# Altium PCB Tigershark 3D R2.1.PcbDoc (part 2 of 4) (continued)
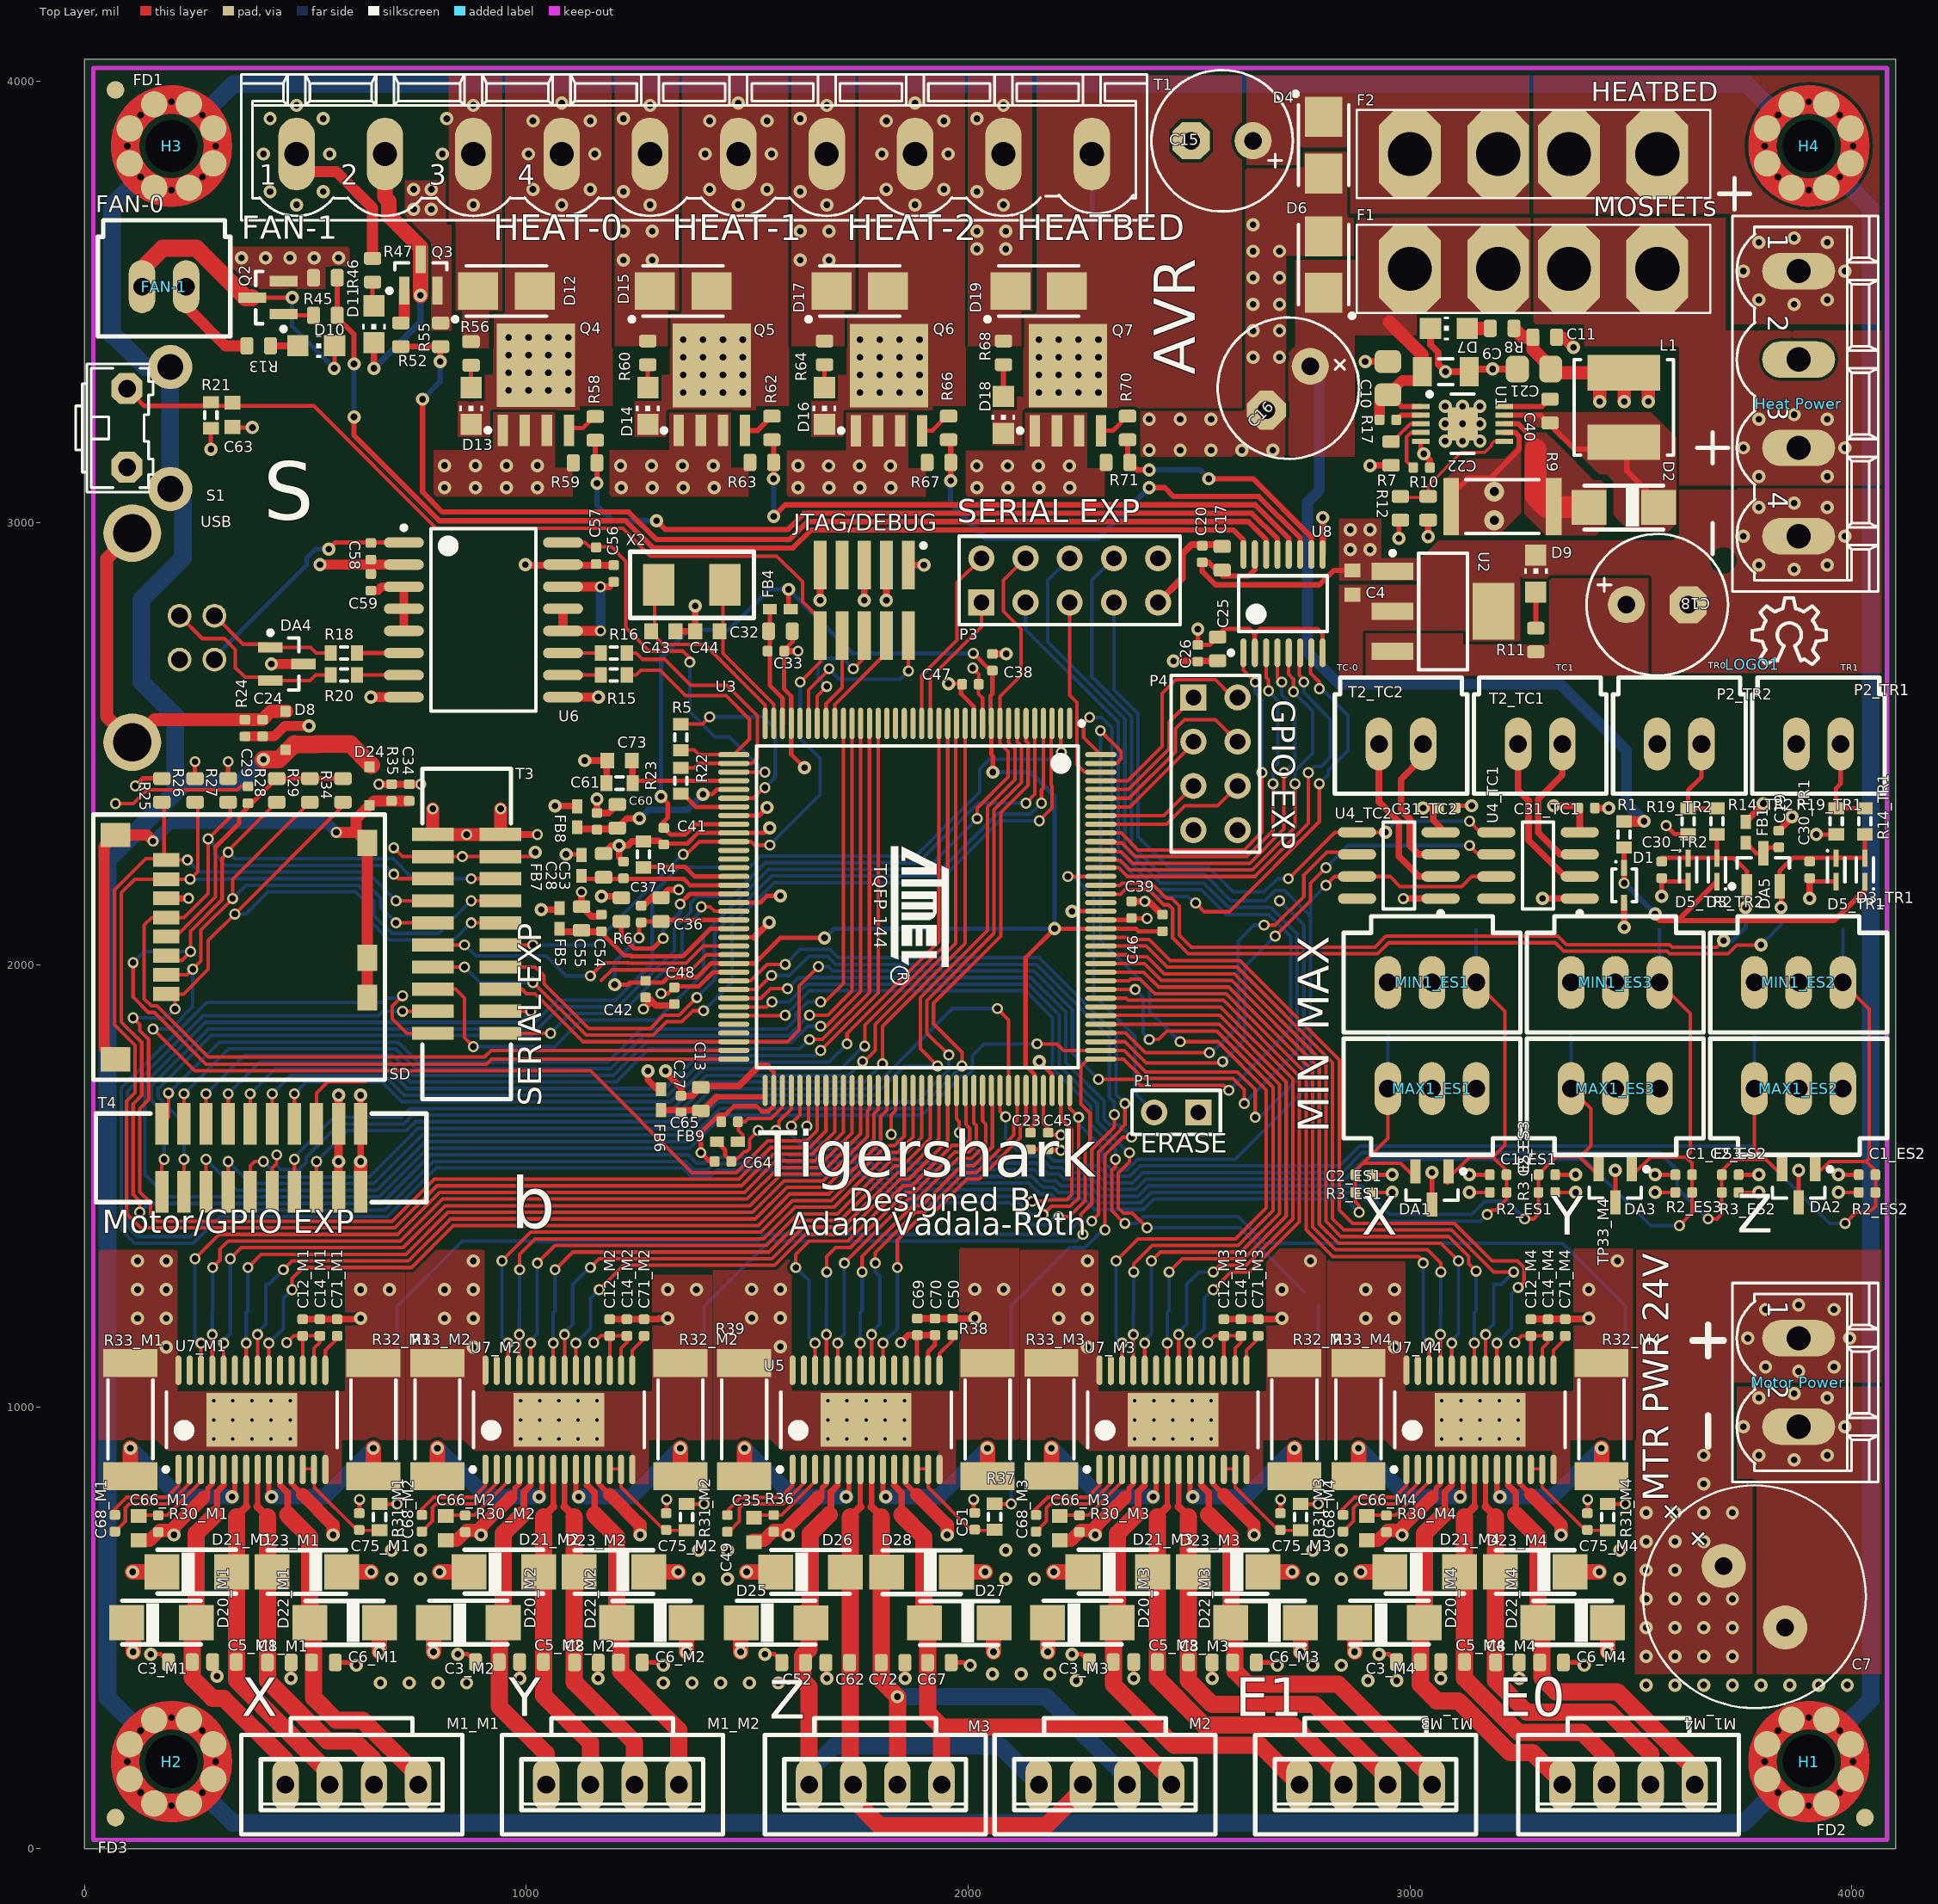
[diagram p0: Top Layer view]
## Nets (pads, with @x,y where several pads share a name; then routed paths per layer and width w, separated by ;. In a path a pad name is that pad's centre, name@x,y a point inside that pad or via, vN(x,y) a via of type N, cw(c..) or ccw(c..) an arc to the next point about the centre after c; other vN are vias at no path point) (continued)
  Top Layer w15: v1@2909.31,3130.43 2957.09,3130.43 R7.2@2957.32,3130.65 ; v1(3041.31,2969.43) R10.1@3041.31,3006.66
  Top Layer w30: R8.2@3235.54,3440.43 3255.54,3420.43 C11.1@3278.54,3420.43 3278.54,3392.69 3318.72,3352.52 C21.1@3318.72,3348.43 ; C21.1@3326.98,3340.17 L1.2@3484.31,3340.17 ; v1(3430,3275) L1.2@3430,3335.17 ; v1(3485,3275) L1.2@3485,3339.48 ; v1(3540,3275) L1.2@3540,3340
  other v1: 2865,2940 2910,2940 2865,2985 2910,2985 2910,3130
+12VCC1: "Motor Power.1" C7.1 C35.1 C66_M1.1 C66_M2.1 C66_M3.1 C66_M4.1 R30_M1.2 R30_M2.2 R30_M3.2 R30_M4.2 R36.2 U5.4 U5.11 U7_M1.4 U7_M1.11 U7_M2.4 U7_M2.11 U7_M3.4 U7_M3.11 U7_M4.4 U7_M4.11 | length 2331.6
  Top Layer w12: 270,795 279,804 279,815.51 289.17,825.68 U7_M1.4@289.17,858.06 U7_M1.4@289.17,859.06 ; U7_M1.11@468.31,859.06 468.31,826.69 493.74,801.26 ; 965,795 974,804 974,815.51 984.17,825.68 U7_M2.4@984.17,858.06 U7_M2.4@984.17,859.06 ; U7_M2.11@1163.31,859.06 1163.31,826.69 1188.74,801.26 ; 1660.03,794.97 1669.03,803.97 1669.03,815.48 1679.2,825.65 U5.4@1679.2,858.02 ; U5.11@1858.34,859.02 1858.34,826.66 1883.77,801.23 ; 2355,795 2364,804 2364,815.51 2374.17,825.68 U7_M3.4@2374.17,858.06 U7_M3.4@2374.17,859.06 ; U7_M3.11@2553.31,859.06 2553.31,826.69 2578.74,801.26 ; 3050,795 3059,804 3059,815.51 3069.17,825.68 U7_M4.4@3069.17,858.06 U7_M4.4@3069.17,859.06 ; U7_M4.11@3248.31,859.06 3248.31,826.69 3273.74,801.26
  Top Layer w30: C66_M1.1@122.48,697.44 147.44,697.44 170,720 192.48,720 v1(202.48,710) 202.48,727.48 270,795 ; 493.74,801.26 562.48,732.52 v1(562.48,710) ; C66_M2.1@817.48,697.44 842.44,697.44 865,720 887.48,720 v1(897.48,710) 897.48,727.48 965,795 ; 1188.74,801.26 1257.48,732.52 v1(1257.48,710) ; C35.1@1512.51,697.41 1537.47,697.41 1560.03,719.97 1582.51,719.97 v1(1592.51,709.97) 1592.51,727.45 1660.03,794.97 ; 1883.77,801.23 1952.51,732.49 v1(1952.51,709.97) ; C66_M3.1@2207.48,697.44 2232.44,697.44 2255,720 2277.48,720 v1(2287.48,710) 2287.48,727.48 2355,795 ; 2578.74,801.26 2647.48,732.52 v1(2647.48,710) ; C66_M4.1@2902.48,697.44 2927.44,697.44 2950,720 2972.48,720 v1(2982.48,710) 2982.48,727.48 3050,795 ; 3273.74,801.26 3342.48,732.52 v1(3342.48,710)
  other v1: 3535,370 3600,370 3665,370 3730,370 3795,370 3860,370 3925,370 3990,370 670,375 735,375 800,375 865,375 1310,375 1375,375 1440,375 1505,375 1570,375 2245,380 2905,380 2970,380 2055,395 2120,395 2185,395 2780,415 2845,415 3535,435 3600,435 3665,435 3730,435 3535,500 3600,500 3665,500 3730,500 3535,565 3600,565 3665,565 3730,565 695,610 760,610 1390,610 1455,610 2085.03,609.97 2150.03,609.97 2780,610 2845,610 3475,610 3535,630 3600,630 695,675 760,675 1390,675 1455,675 2085.03,674.97 2150.03,674.97 2780,675 2845,675 3475,675 3535,695 3600,695 3665,695 3535,760 3600,760 3665,760 3730,760 3665,825 3665,890 3880,1080 3805,1090 3960,1090 3765,1155 3995,1155 3805,1220 3960,1220 3880,1230
+12VCC2: C9.1 C10.1 C16.1 D6.2 D12.2 D15.2 D17.2 F1.2 FAN-1.1 R1.2 R13.2 R17.2 R47.2 R56.2 R60.2 R64.2 T1.1 T1.3 T1.5 T1.7 U1.1 | length 2587.6
  Top Layer w12: C10.1@2971.68,3272.95 2980.83,3263.8 U1.1@3024.83,3263.8
  Top Layer w24: R17.2@2931.31,3233.43 C10.1@2931.31,3271.02 ; C10.1@2950.31,3290.02 2982.72,3322.43 C9.1@3008.15,3322.43
  Top Layer w25: FAN-1.1@230,3535 230,3490 319,3401 R13.2@367.23,3401 ; T1.1@480,3810 495,3795 570,3795 652,3713 R47.2@652,3598.77 ; R1.2@3485,2324.53 3529.53,2324.53 v1(3530,2325)
  Top Layer w30: 2953.21,3454.87 3028.17,3379.91 C9.1@3028.17,3342.43
  Bottom Layer w25: C16.1@2774.5,3354.5 2795,3333.99 2795,3073.87 2768.07,3046.93 2768.07,2706.93 2840,2635 3340,2635 3490,2485 3490,2365 v1(3530,2325) ; F1.2@3200,3545 F1.2@3200,3575
  other v1: 1220,3595 1285,3595 1620,3595 1685,3595 1220,3660 1285,3660 1620,3660 1685,3660 480,3720 880,3720 1280,3720 1680,3720 420,3750 540,3750 1220,3750 1620,3750 405,3835 555,3835 810,3835 420,3915 540,3915 820,3915 1220,3915 1620,3915 480,3945 880,3945 1280,3945 1680,3945
+12VCC3: C15.1 D4.2 D19.2 F2.2 R68.2 T1.9
  other v1: 2020,3620 2085,3620 2020,3660 2085,3660 2080,3720 2020,3750 2020,3915 2080,3945
AN_EXP0: T4.13 U3.14 | length 2311.5
  Top Layer w8: T4.13@475,1486.46 v2(475,1560) ; v2(1761.1,1781.1) 1764.34,1781.1 1789.6,1806.37 1789.6,1865.82 1972.1,2048.32 1972.1,2544.98 U3.14@1973.58,2546.46
  Bottom Layer w8: v2@470,1560 560,1650 577.57,1650 582.57,1655 716.36,1655 736.36,1675 1332.72,1675 1407.43,1749.71 1729.71,1749.71 v2(1761.1,1781.1)
AN_EXP1: T4.14 U3.15 | length 2249.4
  Top Layer w8: T4.14@475,1640 v2(475,1708.23) ; v2(1766.1,1816.1) 1766.1,1863.53 1953.9,2051.32 U3.15@1953.9,2546.46
  Bottom Layer w8: v2(475,1708.23) 501.77,1735 672.72,1735 717.72,1690 1326.51,1690 1401.22,1764.71 1711.48,1764.71 1762.87,1816.1 v2(1766.1,1816.1)
AVREF: C65.2 FB9.2 U3.75 | length 189
  Top Layer w8: C65.2@1479,1645 1495,1645 1502.31,1652.31 1554.56,1652.31 1579.88,1677.64 U3.75@1579.88,1715.75 ; C65.2@1480,1636 1480,1625 1490,1615 FB9.2@1490,1603.62
BED_PWM: TP38.1 U3.144 U8.7 | length 1508
  Top Layer w8: v2(2275,2560) 2261.39,2546.39 2261.39,2514.55 U3.144@2300.35,2475.59 ; v2(2515,2140) 2535,2120 2591.07,2120 2795,2323.93 v2(2795,2410) ; U8.7@2776.98,2706.22 2775,2704.24 2775,2660 2795,2640 v2(2795,2625)
  Bottom Layer w8: v2(2275,2560) 2302.61,2560 2325,2537.61 2325,2252.57 2422.57,2155 2497.57,2155 2512.57,2140 v2(2515,2140) ; v2(2795,2410) 2815,2430 2815,2440 TP38.1@2860,2485 2860,2565 2800,2625 v2(2795,2625)
DIR1: TP39_M1.1 U3.87 U7_M1.20 | length 1811
  Top Layer w8: U7_M1.20@417.13,1083.46 v2(417.13,1143.9) ; v2(470,1265) 470,1290 495,1315 740,1315 835,1410 1524.68,1410 1596.18,1481.5 1684.44,1481.5 1802.05,1599.11 1802.05,1657.05 1816.1,1671.1 U3.87@1816.1,1715.75
  Bottom Layer w8: v2(417.13,1143.9) 449.97,1176.74 TP39_M1.1@449.97,1217.03 449.97,1244.97 v2(470,1265)
DIR2: TP39_M2.1 U3.94 U7_M2.20 | length 1245.3
  Top Layer w8: U7_M2.20@1112.13,1083.46 v2(1112.13,1143.9) ; v2(1165,1265) 1220,1320 1561.96,1320 1631.96,1390 1721.36,1390 1846.36,1515 1866.21,1515 1953.9,1602.68 U3.94@1953.9,1715.75
  Bottom Layer w8: v2(1112.13,1143.9) 1144.97,1176.74 TP39_M2.1@1144.97,1217.03 1144.97,1244.97 v2(1165,1265)
DIR3: TP39_M3.1 U3.116 U7_M3.20 | length 1313.9
  Top Layer w8: U3.116@2300.35,1924.41 2357.8,1924.41 2362.48,1919.72 2578,1919.72 2750,1747.72 2750,1418.79 2636.21,1305 2595,1305 v4(2555,1265) ; U7_M3.20@2502.13,1083.46 v4(2502.13,1143.9)
  Bottom Layer w8: v4(2502.13,1143.9) 2534.97,1176.74 TP39_M3.1@2534.97,1217.03 2534.97,1244.97 v4(2555,1265)
DIR4: TP39_M4.1 U3.123 U7_M4.20 | length 1723.6
  Top Layer w8: U3.123@2300.35,2062.2 2361.21,2062.2 2365.9,2057.52 2409.52,2057.52 2457.32,2009.72 2615.28,2009.72 2840,1785 2840,1445 2870,1415 3100.66,1415 3185.66,1330 3243.23,1330 3258.47,1314.77 3258.47,1283.53 v4(3244.97,1270.03) ; U7_M4.20@3197.13,1083.46 v4(3197.13,1143.9)
  Bottom Layer w8: v4(3197.13,1143.9) 3229.97,1176.74 TP39_M4.1@3229.97,1217.03 3229.97,1255.03 v4(3244.97,1270.03)
DIR_EXP1: T4.11 U3.13 | length 2440.4
  Top Layer w8: T4.11@425,1486.46 425,1540 435,1550 v2(435,1570) ; v2(1806.1,1776.1) 1806.1,1861.1 1993.27,2048.27 U3.13@1993.27,2546.46
  Bottom Layer w8: v2(435,1570) 435,1546.21 444.71,1536.5 484.73,1536.5 501.5,1553.27 501.5,1564.73 571.77,1635 583.79,1635 588.79,1640 722.57,1640 742.57,1660 1338.93,1660 1413.65,1734.71 1764.71,1734.71 v2(1806.1,1776.1)
DIR_EXP2: T4.12 U3.16 | length 2264.9
  Top Layer w8: T4.12@425,1640 v2(425,1708.23) ; v2(1726.1,1821.1) 1726.1,1844.74 1934.21,2052.85 U3.16@1934.21,2546.46
  Bottom Layer w8: v2(425,1708.23) 466.77,1750 678.93,1750 723.93,1705 1320.29,1705 1395.01,1779.71 1684.71,1779.71 v2(1726.1,1821.1)
DIR_Z: TP20.1 U3.103 U5.20 | length 794.3
  Top Layer w8: U5.20@1807.16,1083.43 v4(1807.16,1143.87) ; v4(1840,1315) 1840,1377.57 1887.43,1425 1907.43,1425 1997.43,1515 2025,1515 2118.1,1608.1 2118.1,1633.08 2126.38,1641.36 ; 2126.38,1641.38 2131.06,1646.06 U3.103@2131.06,1715.75
  Bottom Layer w8: v4(1807.16,1143.87) 1840,1176.71 v4(1840,1315)
EN1: TP32_M1.1 U3.86 U7_M1.21 | length 1828.6
  Top Layer w8: U7_M1.21@391.54,1083.46 v2(391.54,1163.31) ; v2(450,1310) 470,1330 733.79,1330 828.79,1425 1518.47,1425 1589.97,1496.5 1678.23,1496.5 1787.05,1605.32 1787.05,1663.26 1796.42,1672.63 U3.86@1796.42,1715.75
  Bottom Layer w8: v2(391.54,1163.31) 391.54,1168.6 409.97,1187.03 TP32_M1.1@409.97,1277.03 417.03,1277.03 v2(450,1310)
EN2: TP32_M2.1 U3.93 U7_M2.21 | length 1276.4
  Top Layer w8: U7_M2.21@1086.54,1083.46 v2(1086.54,1163.31) ; v2(1145,1315) 1165,1335 1555.75,1335 1627.25,1406.5 1716.65,1406.5 1840.15,1530 1858.09,1530 1934.21,1606.13 U3.93@1934.21,1715.75
  Bottom Layer w8: v2(1086.54,1163.31) 1086.54,1168.6 1104.97,1187.03 TP32_M2.1@1104.97,1277.03 1142.94,1315 v2(1145,1315)
EN3: TP32_M3.1 U3.115 U7_M3.21 | length 1321.3
  Top Layer w8: U3.115@2300.35,1904.72 2571.78,1904.72 2735,1741.51 2735,1425 2630,1320 2570,1320 v4(2555,1305) ; U7_M3.21@2476.54,1083.46 v4(2476.54,1163.31)
  Bottom Layer w8: v4(2476.54,1163.31) 2476.54,1168.6 2494.97,1187.03 TP32_M3.1@2494.97,1277.03 2522.94,1305 v4(2555,1305)
EN4: TP32_M4.1 U3.122 U7_M4.21 | length 1704.8
  Top Layer w8: U3.122@2300.35,2042.52 2403.31,2042.52 2451.1,1994.72 2609.06,1994.72 2825,1778.79 2825,1425.55 2850.55,1400 3094.45,1400 3189.42,1305.03 v4(3234.97,1305.03) ; U7_M4.21@3171.54,1083.46 v4(3171.54,1163.31)
  Bottom Layer w8: v4(3171.54,1163.31) 3171.54,1168.6 3189.97,1187.03 TP32_M4.1@3189.97,1277.03 3206.97,1277.03 v4(3234.97,1305.03)
EN_EXP1: T4.9 U3.8 | length 2630.7
  Top Layer w8: T4.9@375,1486.46 375,1545 385,1555 v2(405,1555) ; v2(1931.1,1771.1) 1891.71,1810.5 1891.71,1925.5 2043.86,2077.64 2043.86,2357.04 2106,2419.18 2106,2488.78 2091.69,2503.09 U3.8@2091.69,2546.46
  Bottom Layer w8: v2@400,1560 v2(405,1555) 440,1520 645,1520 755,1630 1351.36,1630 1426.07,1704.71 1789.16,1704.71 1855.55,1771.1 v2(1931.1,1771.1)
EN_EXP2: T4.10 U3.23 | length 2231.5
  Top Layer w8: T4.10@375,1640 v2(375,1708.23) ; v2(1666.1,1806.1) 1796.42,1936.42 U3.23@1796.42,2546.46
  Bottom Layer w8: v2(375,1708.23) 431.77,1765 685.15,1765 730.15,1720 1314.08,1720 1388.79,1794.71 1654.71,1794.71 v2(1666.1,1806.1)
EN_Z: TP16.1 U3.102 U5.21 | length 805.1
  Top Layer w8: U5.21@1781.57,1083.43 v4(1781.57,1163.28) ; v4(1790,1325) 1790,1348.79 1881.21,1440 1901.21,1440 1991.21,1530 2018.79,1530 2103.1,1614.32 2103.1,1639.29 2111.38,1647.57 U3.102@2111.38,1715.75
  Bottom Layer w8: v4(1781.57,1163.28) 1781.57,1168.57 1800,1187 1800,1295 1790,1305 v4(1790,1325)
ERASE: P1.2 U3.130 | length 695.4
  Top Layer w8: v2(2226.1,2200) U3.130@2300.35,2200
  Bottom Layer w8: v2(2226.1,2200) 2237.2,2200 2284.38,2152.82 2284.38,1931.72 2377.5,1838.6 2377.5,1709.7 P1.2@2421.1,1666.1
EXP_CS: P3.5 U3.142 | length 434.3
  Top Layer w8: P3.5@2230,2820 2230,2610 2246.39,2593.61 2246.39,2453.61 2263.78,2436.22 U3.142@2300.35,2436.22
EXP_CS2: T3.1 U3.55 | length 685.1
  Top Layer w8: T3.1@941.77,1845 v2(1055,1845) ; v2(1396.1,2131.1) 1416.1,2131.1 1425.95,2121.26 U3.55@1469.65,2121.26
  Bottom Layer w8: v2(1055,1845) 1100,1890 1214.2,1890 1352.6,2028.41 1352.6,2078.76 1396.1,2122.26 v2(1396.1,2131.1)
EXP_SYNC: T3.10 U3.59 | length 739.5
  Top Layer w8: T3.10@788.23,2045 v2(860,2045) ; v2(1145,1975) 1175,2005 1229.79,2005 1231.18,2003.6 1361.23,2003.6 1400.15,2042.52 U3.59@1469.65,2042.52
  Bottom Layer w8: v2(860,2045) 885,2020 1045,2020 1090,1975 v2(1145,1975)
FET_PWM1: TP43.1 U3.135 U8.1 | length 820.6
  Top Layer w8: U3.135@2300.35,2298.43 2346.57,2298.43 2385,2260 2625,2260 2658.5,2293.5 2665,2300 v2(2665,2435) ; U8.1@2623.43,2706.22 2623.43,2666.57 v2(2650,2640)
  Bottom Layer w8: v2(2650,2640) 2650,2615 2665,2600 TP43.1@2665,2545 v2(2665,2435)
FET_PWM2: TP44.1 U3.134 U8.3 | length 846
  Top Layer w8: U3.134@2300.35,2278.74 2303.13,2275.96 2347.83,2275.96 2378.79,2245 2631.21,2245 2690,2303.79 v2(2690,2410) ; U8.3@2674.61,2706.22 2675,2705.83 2675,2650 2680,2645 v2(2680,2620)
  Bottom Layer w8: v2(2680,2620) 2701.1,2598.9 TP44.1@2701.1,2486.1 2701.1,2456.1 2690,2445 v2(2690,2410)
FET_PWM3: TP45.1 U3.133 U8.4 | length 884.6
  Top Layer w8: U3.133@2300.35,2259.06 2303.13,2256.28 2346.3,2256.28 2372.57,2230 2637.43,2230 2715,2307.57 v2(2715,2435) ; U8.4@2700,2706.02 U8.4@2700.2,2706.22 2700.2,2649.8 v2(2710,2640)
  Bottom Layer w8: v2(2710,2640) 2710,2611.21 2740,2581.21 TP45.1@2740,2545 2740,2460 v2(2715,2435)
FET_PWM4: TP46.1 U3.132 U8.5 | length 924.2
  Top Layer w8: U3.132@2300.35,2239.37 2303.13,2236.59 2344.77,2236.59 2366.36,2215 2643.64,2215 2740,2311.36 v2(2740,2410) ; U8.5@2725.8,2706.22 2725,2705.42 2725,2658.23 2736.5,2646.73 v2(2736.5,2618.25)
  Bottom Layer w8: v2(2736.5,2618.25) 2780,2574.75 TP46.1@2780,2485 2780,2478.79 2740,2438.79 v2(2740,2410)
FET_PWM5: TP47.1 U3.131 U8.6 | length 972.7
  Top Layer w8: U3.131@2300.35,2219.68 2340.46,2219.68 2360.15,2200 2649.85,2200 2770,2320.15 v2(2770,2435) ; U8.6@2751.39,2706.22 2750,2704.83 2750,2655.95 2760,2645.95 v2(2760,2640)
  Bottom Layer w8: v2(2760,2640) 2760,2615.96 2795,2580.96 2795,2580 2820,2555 TP47.1@2820,2545 2820,2470 2799,2449 2784,2449 v2(2770,2435)
FGND: D8.C D24.C H1.1 H2.1 H3.1 H4.1 S1.3 S1.4 | length 15133.2
  Top Layer w40: v1(405,2465) 440,2465 475,2500 475,2498.79 525.4,2498.79 526.11,2499.5 601.36,2499.5 D24.C@648.78,2452.08
  Bottom Layer w40: 122.6,271.1 52,341.7 52,2237 227.21,2412.21 352.21,2412.21 v1(405,2465) ; 122.6,3778.9 62,3718.3 62,3425 65.68,3425 137.68,3353 S1.3@194,3353 S1.4@194,3077 223,3048 223,2920.79 128,2825.79 128,2640.79 208,2560.79 205,2557.79 205,2390 ; H3.1@266.85,3923.15 336.7,3993 3763.3,3993 3828.9,3927.4 ; 271.1,122.6 335.7,58 3756.04,58 3824.89,126.85 ; 3977.4,271.1 4043,336.7 4043,3713.3 3977.4,3778.9
  Bottom Layer w50: 122.6,271.1 H2.1@126.85,266.85 ; 122.6,3778.9 H3.1@126.85,3783.15 ; 3824.89,126.85 H1.1@3833.15,126.85 ; 3828.9,3927.4 H4.1@3833.15,3923.15 ; H1.1@3973.15,266.85 3977.4,271.1
GND: "Heat Power.2" "Heat Power.4" "Motor Power.2" C1_ES1.2 C1_ES2.2 C1_ES3.2 C2_ES1.2 C2_ES2.2 C2_ES3.2 C3_M1.2 C3_M2.2 C3_M3.2 C3_M4.2 C4.1 C5_M1.2 C5_M2.2 C5_M3.2 C5_M4.2 C6_M1.2 C6_M2.2 C6_M3.2 C6_M4.2 C7.2 C8_M1.2 C8_M2.2 C8_M3.2 C8_M4.2 C9.2 C10.2 C11.2 C12_M1.1 C12_M2.1 C12_M3.1 C12_M4.1 C13.1 C14_M1.1 C14_M2.1 C14_M3.1 C14_M4.1 C15.2 C16.2 C17.1 C18.2 C19.1 C20.1 C21.2 C22.2 C23.1 C25.1 C26.1 C27.1 C28.1 C29.1 C30_TR1.1 C30_TR2.1 C31_TC1.1 C31_TC2.1 C32.1 C33.1 C34.1 C36.1 C37.1 C38.1 C39.1 C41.1 C42.1 C43.1 C44.1 C45.1 C46.1 C47.1 C48.1 C50.1 C51.1 C52.2 C53.1 C54.1 C55.1 C56.1 C57.1 C60.1 C61.1 C62.2 C63.1 C64.1 C65.1 C67.2 C69.1 C70.1 C71_M1.1 C71_M2.1 C71_M3.1 C71_M4.1 C72.2 C73.1 C75_M1.1 C75_M2.1 C75_M3.1 C75_M4.1 D1.1 D4.1 D5_TR1.1 D5_TR2.1 D6.1 D7.C D9.C D20_M1.C D20_M2.C D20_M3.C D20_M4.C D21_M1.C D21_M2.C D21_M3.C D21_M4.C D22_M1.C D22_M2.C D22_M3.C D22_M4.C D23_M1.C D23_M2.C D23_M3.C D23_M4.C D25.C D26.C D27.C D28.C DA1.3 DA2.3 DA3.3 JTAG/DEBUG.3 JTAG/DEBUG.5 JTAG/DEBUG.9 MAX1_ES1.2 MAX1_ES2.2 MAX1_ES3.2 MIN1_ES1.2 MIN1_ES2.2 MIN1_ES3.2 P2_TR1.2 P2_TR2.2 P3.9 P4.7 Q2.2 Q3.2 Q4.1 Q4.2 Q4.3 Q5.1 Q5.2 Q5.3 Q6.1 Q6.2 Q6.3 Q7.1 Q7.2 Q7.3 R4.2 R9.1 R12.2 R23.1 R32_M1.1 R32_M2.1 R32_M3.1 R32_M4.1 R33_M1.1 R33_M2.1 R33_M3.1 R33_M4.1 R35.1 R38.1 R39.1 R46.2 R55.2 R59.2 R63.2 R67.2 R71.2 S1.2 SD.6 T3.19 T3.20 T4.19 T4.20 U1.5 U1.7 U1.11 U2.2 U2.4 U3.12 U3.33 U3.44 U3.46 U3.54 U3.58 U3.74 U3.106 U3.126 U4_TC1.1 U4_TC2.1 U5.14 U5.28 U5.29 U6.9 U6.15 U7_M1.14 U7_M1.28 U7_M1.29 U7_M2.14 U7_M2.28 U7_M2.29 U7_M3.14 U7_M3.28 U7_M3.29 U7_M4.14 U7_M4.28 U7_M4.29 U8.9 | length 9573
  Top Layer w8: v2(70,2365) 110,2365 141.21,2396.21 346.21,2396.21 353.7,2403.7 C29.1@370,2403.7
  Top Layer w10: v1(150,440) 172.23,440 C3_M1.2@189.97,422.26 ; C5_M1.2@289.97,422.26 289.97,400.03 v1(300,390) ; C63.1@335,3217.44 336.44,3216 v1(380,3216) ; v1@467.51,392.49 C8_M1.2@467.51,421.26 ; C6_M1.2@567.51,421.26 598.74,421.26 v1@615,405 ; C75_M1.1@622.48,758.7 v4(622.48,790) ; R55.2@798.4,3463.13 R55.2@806,3455.53 ; v1(845,440) 867.23,440 C3_M2.2@884.97,422.26 ; v1(984.97,385.03) C5_M2.2@984.97,422.26 ; v1(1162.51,385) C8_M2.2@1162.51,421.26 ; C54.1@1167.52,2116.18 C54.1@1170,2118.66 ; C6_M2.2@1262.51,421.26 1293.74,421.26 v1@1310,405 ; C41.1@1309.8,2271.1 1313.2,2274.5 1364.5,2274.5 1388.43,2298.43 U3.46@1469.65,2298.43 1539.84,2298.43 v1(1551.1,2309.68) ; C75_M2.1@1317.48,758.7 v4(1317.48,790) ; C64.1@1426.3,1555 1415,1555 v2(1395,1575) 1395,1620 1436.25,1661.25 1451.25,1661.25 1470,1680 1521.41,1680 1533.1,1668.31 1547.93,1668.31 1560.2,1680.58 U3.74@1560.2,1715.75 1560.2,1757.01 1546.1,1771.1 ; U3.58@1469.65,2062.2 1516.1,2062.2 ; U3.54@1469.65,2140.94 1529.84,2140.94 1545,2156.1 v1(1575,2156.1) ; U3.44@1469.65,2337.8 1526.69,2337.8 v1(1545,2356.1) ; v1(1540.03,439.97) 1562.26,439.97 C52.2@1580,422.23 ; C33.1@1583.7,2710 1583.7,2623.86 1599.57,2607.99 U3.33@1599.57,2546.46 1599.57,2476.26 v1(1629.72,2446.1) ; C33.1@1585,2713.91 1602.56,2731.47 C32.1@1602.56,2746.1 ; v1(1680,385) C62.2@1680,422.23 ; v1(1857.54,384.97) C72.2@1857.54,421.23 ; v1(1955.47,2636.46) 1984,2636.46 1984,2613.57 2012.95,2584.61 U3.12@2012.95,2546.46 ; C67.2@1957.54,421.23 1988.77,421.23 v1@2005.03,404.97 ; C51.1@2012.51,758.67 v4(2012.51,789.97) ; C23.1@2141.1,1582.4 C45.1@2181.1,1582.4 2183.5,1580 v2(2210,1580) ; v1(2161.1,1781.1) 2190.12,1752.09 U3.106@2190.12,1715.75 ; v1@2230.16,2121.26 U3.126@2300.35,2121.26 ; v1(2235,440) 2257.23,440 C3_M3.2@2274.97,422.26 ; v1(2374.97,385.03) C5_M3.2@2374.97,422.26 ; v1(2552.51,385) C8_M3.2@2552.51,421.26 ; C6_M3.2@2652.51,421.26 2683.74,421.26 v1@2700,405 ; C75_M3.1@2707.48,758.7 v4(2707.48,790) ; C2_ES1.2@2922.56,1525 v1(2960,1525) ; v1(2930,440) 2952.23,440 C3_M4.2@2969.97,422.26 ; v1(2975,2965) 2975,3003.33 R12.2@2978.32,3006.65 ; v1@3024.83,3162.91 U1.5@3024.83,3185.06 ; DA1.3@3050,1442.6 v1(3050,1530) ; v1(3069.97,385.03) C5_M4.2@3069.97,422.26 ; C31_TC2.1@3103.7,2360 v1(3140,2360) ; v1(3135,1525) C1_ES1.2@3172.91,1525 ; v1(3247.51,385) C8_M4.2@3247.51,421.26 ; C2_ES3.2@3329,1525 v1(3375,1525) ; C6_M4.2@3347.51,421.26 3378.74,421.26 v1@3395,405 ; C75_M4.1@3402.48,758.7 v4(3402.48,790) ; DA3.3@3465,1447.6 v1(3465,1535) ; v1(3555,1525) C1_ES3.2@3592.91,1525 ; v1(3570,2155) 3570,2187.44 3570.98,2188.43 D5_TR2.1@3630,2188.43 ; C2_ES2.2@3752.56,1525 v1(3790,1525) ; DA2.3@3880,1447.6 v1(3880,1535) ; C30_TR1.1@3905,2187.44 3905.98,2188.43 D5_TR1.1@3965,2188.43 ; v1(3970,1525) C1_ES2.2@4007.91,1525
  Top Layer w12: 3112.95,3083 3131.36,3101.41 3182.42,3101.41 3246.88,3165.87 3246.88,3196.35 3238.49,3204.74 U1.7@3213.8,3204.74
  Top Layer w15: SD.6@185,2150.55 v2(235.55,2150.55) ; C12_M1.1@493.74,1197.96 C14_M1.1@532.74,1197.96 C71_M1.1@571.74,1197.96 622.96,1197.96 v1(625,1200) ; v1(625,1555) T4.20@625,1640 v1(625,1705) ; T4.19@628.23,1483.23 T4.19@631.46,1480 ; v2(666.1,2408.9) R35.1@695,2408.9 734.8,2408.9 C34.1@735,2408.7 v2(761.3,2408.7) ; T3.19@941.77,2295 v2(1025,2295) ; v1(998,2905.79) 999.3,2904.49 C56.1@1198,2904.49 ; v2(1125,2165) C55.1@1125,2131.77 1146.77,2110 1166.3,2110 C54.1@1170,2113.7 ; v1(1132.32,2462.32) C73.1@1183.54,2462.32 1181.57,2460.35 R23.1@1181.57,2411.1 ; v1(1160,2375) C61.1@1160,2343.7 1186.14,2343.7 C60.1@1206.1,2363.66 ; C28.1@1175,2252.56 1192.44,2270 v1(1210,2270) ; C12_M2.1@1188.74,1197.96 C14_M2.1@1227.74,1197.96 C71_M2.1@1266.74,1197.96 1297.96,1197.96 1300,1200 v1(1320,1200) ; C53.1@1220,2233.7 1210,2243.7 v1(1210,2270) ; v2(1265,1900) 1265.82,1900 1283.82,1918 1270.52,1931.3 1270,1931.3 1283.56,1917.74 1293.3,1908 1335,1908 C48.1@1335,1911.3 ; C37.1@1265,2133.7 1284.96,2153.66 1305,2153.66 1321.34,2170 v2(1345,2170) ; C41.1@1311.1,2272.4 1309.8,2271.1 1300.27,2280.63 1266.1,2280.63 R4.2@1265,2279.53 1239.53,2279.53 1230,2270 v1(1210,2270) ; v1(1315,1760) 1315,1756.69 1350,1721.69 C27.1@1350,1703.7 1375.04,1703.7 1397.44,1726.1 1481.1,1726.1 1526.1,1771.1 1546.1,1771.1 ; C43.1@1337.56,2755 C44.1@1382.44,2755 v1(1382.44,2812.44) ; 1516.1,2062.2 v1(1550,2096.1) ; C33.1@1588.91,2710 v2(1615,2710) ; v1(1665,2825) JTAG/DEBUG.9@1665,2904.92 ; v1(1765,2825) JTAG/DEBUG.5@1765,2904.92 ; v1(1815,2825) 1815,2894.92 1820,2899.92 JTAG/DEBUG.3@1815,2904.92 ; C69.1@1885,1199.7 C70.1@1925,1199.7 C50.1@1965,1199.7 2014.22,1199.7 v1(2015.26,1200.74) ; C38.1@2055,2703.7 v1(2086.3,2703.7) ; C46.1@2370,2143.7 2408.92,2143.7 2438.92,2113.7 C39.1@2440,2113.7 ; P3.9@2430,2820 2485,2875 2485,2930 2506,2951 C17.1@2560,2951 ; v1(2465,2687.44) C25.1@2557.44,2687.44 ; C12_M3.1@2578.74,1197.96 C14_M3.1@2617.74,1197.96 C71_M3.1@2656.74,1197.96 2707.96,1197.96 v1(2710,1200) ; U8.9@2802.57,2928.66 v1(2802.57,3012.43) ; v1(2898.76,3365.43) C10.2@2950.31,3365.43 ; v2(2985,2150) U4_TC2.1@3069.49,2150 ; v1@3024.83,3162.91 3045.31,3142.43 C22.2@3045.31,3125.43 ; D7.C@3046.76,3440.43 3046.76,3403.03 3064.32,3385.48 3064.32,3358.87 v1(3080.76,3342.43) C9.2@3134.46,3342.43 ; C9.2@3140.46,3348.43 v1(3187.31,3348.43) C21.2@3243.31,3348.43 ; C12_M4.1@3272.48,1198.7 v1@3396.18,1198.7 ; v1(3300,2150) U4_TC1.1@3384.49,2150 ; C31_TC1.1@3427.56,2355 v1(3450,2355) ; v1(3485,2085) D1.1@3485,2140.63 ; C19.1@3835,2303.7 3865,2333.7 v1(3865,2335) ; v1(3905,2150) C30_TR1.1@3905,2187.44
  Top Layer w20: U6.9@1083.12,2605.79 v1(1163,2605.79)
  Top Layer w25: C11.2@3332.09,3420.43 3347.31,3420.43 v1(3370.31,3397.43)
  Top Layer w29.53: v2(788.23,2353.23) T3.20@788.23,2295 v2(865,2295) T3.19@941.77,2295 v2(941.77,2353.23)
  Top Layer w29.92: T4.19@625,1486.46 v1(625,1555)
  Top Layer w35: D20_M1.C@95,511.26 110,496.26 v1(110,445) ; v1(108.74,626.26) D21_M1.C@175,626.26 ; D23_M1.C@582.48,626.26 v1(648.74,626.26) ; v1(667.48,445) D22_M1.C@667.48,511.26 ; v1(790,445) D20_M2.C@790,511.26 ; v1(803.74,626.26) D21_M2.C@870,626.26 ; D23_M2.C@1277.48,626.26 v1(1343.74,626.26) ; v1(1362.48,445) D22_M2.C@1362.48,511.26 ; v1(1485.03,444.97) D25.C@1485.03,511.23 ; v1(1498.77,626.23) D26.C@1565.03,626.23 ; D28.C@1972.51,626.23 v1(2038.77,626.23) ; v1(2057.51,444.97) D27.C@2057.51,511.23 ; v1(2180,445) D20_M3.C@2180,511.26 ; v1(2193.74,626.26) D21_M3.C@2260,626.26 ; D23_M3.C@2667.48,626.26 v1(2733.74,626.26) ; v1(2752.48,445) D22_M3.C@2752.48,511.26 ; v1(2875,445) D20_M4.C@2875,511.26 ; v1(2888.74,626.26) D21_M4.C@2955,626.26 ; D23_M4.C@3362.48,626.26 v1(3428.74,626.26) ; v1(3447.48,445) D22_M4.C@3447.48,511.26
  other v1: 467.51,385 615,415 1310,415 2005.03,414.97 2700,415 3395,415 3870,880 3790,890 3945,890 3755,955 3985,955 3790,1020 3945,1020 3870,1030 185,1135 880,1135 2270,1135 2965,1135 1575.26,1135.74 120,1200 185,1200 815,1200 880,1200 2205,1200 2270,1200 2900,1200 2965,1200 3405,1200 1510.26,1200.74 1575.26,1200.74 120,1265 185,1265 625,1265 690,1265 815,1265 880,1265 1320,1265 1385,1265 2205,1265 2270,1265 2710,1265 2900,1265 2965,1265 3405,1265 1510.26,1265.74 1575.26,1265.74 2015.26,1265.74 2080.26,1265.74 120,1330 185,1330 880,1330 2270,1330 2775,1330 3470,1330 2235,2121.1 3870,2895 3790,2905 3945,2905 3755,2970 3985,2970 3790,3035 3945,3035 3870,3045 815,3080 885,3080 955,3080 1025,3080 1215,3080 1285,3080 1355,3080 1425,3080 1615,3080 1685,3080 1755,3080 1825,3080 2020,3080 2090,3080 2160,3080 2230,3080 1684.5,3129.19 1754.5,3129.19 1824.5,3129.19 2019.5,3129.19 2089.5,3129.19 2159.5,3129.19 2229.5,3129.19 815,3130 885,3130 955,3130 1025,3130 1213.5,3129.61 1283.5,3129.61 1353.5,3129.61 1423.5,3129.61 1615,3130 3031.31,3156.43 2410,3165 2480,3165 2550,3165 2620,3165 2690,3165 2410,3235 2480,3235 2550,3235 2645,3375 2705,3375 2645,3435 2705,3435 2645,3495 2705,3495 2645,3555 2705,3555 355,3600 410,3600 465,3600 520,3600 575,3600 2645,3615 2705,3615 2645,3675 745,3710 785,3710 745,3755 785,3755
  other v2: 2400,2143.7
  other v3: 292.13,926.95 335.43,926.95 378.74,926.95 422.05,926.95 465.35,926.95 987.13,926.95 1030.43,926.95 1073.74,926.95 1117.05,926.95 1160.35,926.95 1682.39,926.95 1725.69,926.95 1769,926.95 1812.31,926.95 1855.61,926.95 2377.13,926.95 2420.43,926.95 2463.74,926.95 2507.05,926.95 2550.35,926.95 3072.13,926.95 3115.43,926.95 3158.74,926.95 3202.05,926.95 3245.35,926.95 292.13,970.26 335.43,970.26 378.74,970.26 422.05,970.26 465.35,970.26 987.13,970.26 1030.43,970.26 1073.74,970.26 1117.05,970.26 1160.35,970.26 1682.39,970.26 1725.69,970.26 1769,970.26 1812.31,970.26 1855.61,970.26 2377.13,970.26 2420.43,970.26 2463.74,970.26 2507.05,970.26 2550.35,970.26 3072.13,970.26 3115.43,970.26 3158.74,970.26 3202.05,970.26 3245.35,970.26 292.13,1013.57 335.43,1013.57 378.74,1013.57 422.05,1013.57 465.35,1013.57 987.13,1013.57 1030.43,1013.57 1073.74,1013.57 1117.05,1013.57 1160.35,1013.57 1682.39,1013.57 1725.69,1013.57 1769,1013.57 1812.31,1013.57 1855.61,1013.57 2377.13,1013.57 2420.43,1013.57 2463.74,1013.57 2507.05,1013.57 2550.35,1013.57 3072.13,1013.57 3115.43,1013.57 3158.74,1013.57 3202.05,1013.57 3245.35,1013.57
  other v5: 3079.94,3185.06 3119.31,3185.06 3158.68,3185.06 3079.94,3224.43 3119.31,3224.43 3158.68,3224.43 3079.94,3263.8 3119.31,3263.8 3158.68,3263.8
  other v6: 3191,3006 3191,3071
GPIO_P_0: P4.1 U3.140 | length 341.7
  Top Layer w8: U3.140@2300.35,2396.85 2363.06,2396.85 2454.47,2488.26 2454.47,2549.47 P4.1@2510,2605 P4.1@2520,2605
GPIO_P_1: P4.3 U3.138 | length 272.9
  Top Layer w8: U3.138@2300.35,2357.48 2366.12,2357.48 2510,2501.36 P4.3@2510,2505
GPIO_P_2: P4.5 U3.137 | length 237.5
  Top Layer w8: U3.137@2300.35,2337.8 2442.8,2337.8 P4.5@2510,2405